# KiCad board q2v2.kicad_pcb (continued)
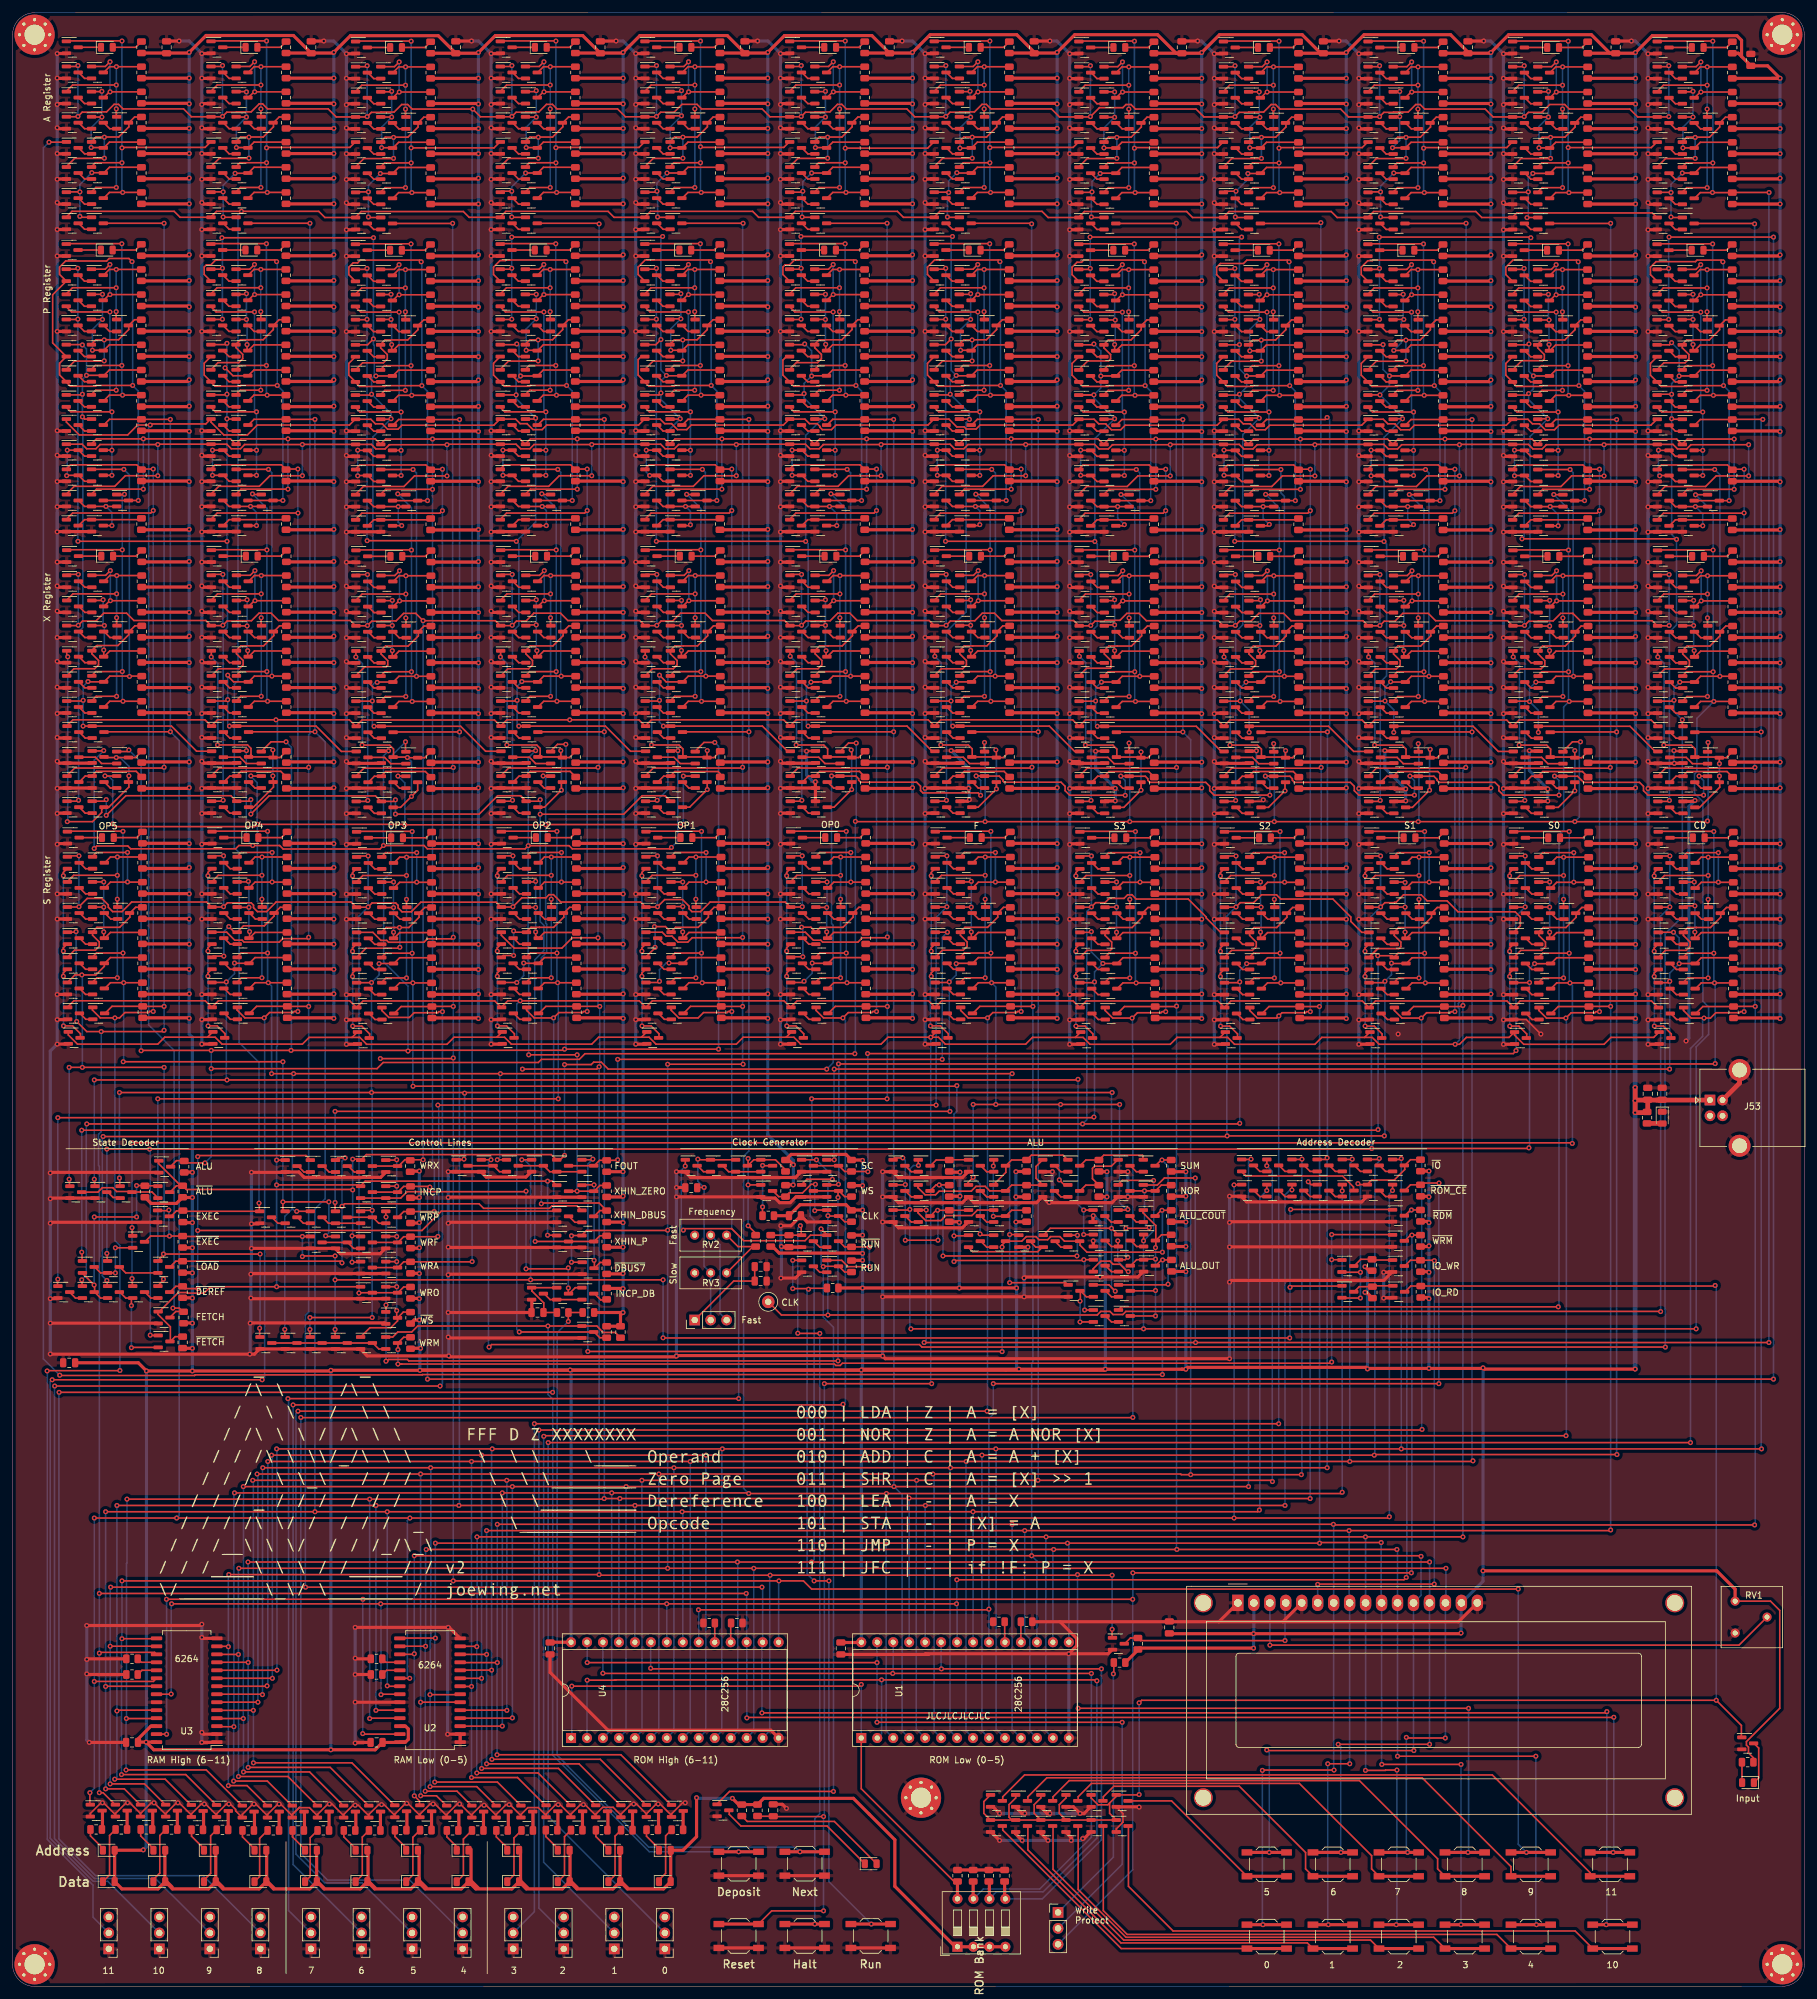
[diagram p0: board, top side]
## Nets (continued)
Net-(Q479-Pad2): Q479.2 Q481.3
Net-(Q479-Pad3): Q479.3 Q484.1 R203.2
Net-(Q483-Pad2): Q483.2 Q485.3
Net-(Q484-Pad2): Q484.2 Q486.3
Net-(Q485-Pad1): Q485.1 Q487.3 Q490.1 R207.2
Net-(Q487-Pad2): Q487.2 Q488.3
Net-(Q488-Pad2): Q488.2 Q489.3
Net-(Q490-Pad2): Q490.2 Q491.3
Net-(Q492-Pad2): Q492.2 Q493.3
Net-(Q494-Pad2): Q494.2 Q495.2 Q498.3 Q499.3
Net-(Q496-Pad2): Q496.2 Q497.2 Q500.3 Q501.3
Net-(Q501-Pad1): Q501.1 Q502.3 R210.2
Net-(Q503-Pad1): Q503.1 Q506.1 Q509.3 Q512.1 R215.2
Net-(Q503-Pad2): Q503.2 Q505.3
Net-(Q504-Pad1): Q504.1 Q513.1 Q515.3 R217.2
Net-(Q504-Pad2): Q504.2 Q506.3
Net-(Q504-Pad3): Q504.3 Q509.1 R212.2
Net-(Q508-Pad2): Q508.2 Q510.3
Net-(Q509-Pad2): Q509.2 Q511.3
Net-(Q510-Pad1): Q510.1 Q512.3 Q515.1 R216.2
Net-(Q512-Pad2): Q512.2 Q513.3
Net-(Q513-Pad2): Q513.2 Q514.3
Net-(Q515-Pad2): Q515.2 Q516.3
Net-(Q519-Pad1): Q519.1 Q522.1 Q525.3 Q528.1 R222.2
Net-(Q519-Pad2): Q519.2 Q521.3
Net-(Q520-Pad1): Q520.1 Q529.1 Q531.3 R224.2
Net-(Q520-Pad2): Q520.2 Q522.3
Net-(Q520-Pad3): Q520.3 Q525.1 R219.2
Net-(Q524-Pad2): Q524.2 Q526.3
Net-(Q525-Pad2): Q525.2 Q527.3
Net-(Q526-Pad1): Q526.1 Q528.3 Q531.1 R223.2
Net-(Q528-Pad2): Q528.2 Q529.3
Net-(Q529-Pad2): Q529.2 Q530.3
Net-(Q531-Pad2): Q531.2 Q532.3
Net-(Q533-Pad2): Q533.2 Q534.3
Net-(Q535-Pad2): Q535.2 Q536.3
Net-(Q537-Pad1): Q537.1 Q540.1 Q543.3 Q546.1 R231.2
Net-(Q537-Pad2): Q537.2 Q539.3
Net-(Q538-Pad1): Q538.1 Q547.1 Q549.3 R233.2
Net-(Q538-Pad2): Q538.2 Q540.3
Net-(Q538-Pad3): Q538.3 Q543.1 R228.2
Net-(Q542-Pad2): Q542.2 Q544.3
Net-(Q543-Pad2): Q543.2 Q545.3
Net-(Q544-Pad1): Q544.1 Q546.3 Q549.1 R232.2
Net-(Q546-Pad2): Q546.2 Q547.3
Net-(Q547-Pad2): Q547.2 Q548.3
Net-(Q549-Pad2): Q549.2 Q550.3
Net-(Q551-Pad2): Q551.2 Q556.3
Net-(Q552-Pad2): Q552.2 Q557.3
Net-(Q553-Pad2): Q553.2 Q558.3
Net-(Q554-Pad2): Q554.2 Q559.3
Net-(Q556-Pad1): Q556.1 Q560.3 R235.2
Net-(Q561-Pad1): Q561.1 Q564.1 Q567.3 Q570.1 R240.2
Net-(Q561-Pad2): Q561.2 Q563.3
Net-(Q562-Pad1): Q562.1 Q571.1 Q573.3 R242.2
Net-(Q562-Pad2): Q562.2 Q564.3
Net-(Q562-Pad3): Q562.3 Q567.1 R237.2
Net-(Q566-Pad2): Q566.2 Q568.3
Net-(Q567-Pad2): Q567.2 Q569.3
Net-(Q568-Pad1): Q568.1 Q570.3 Q573.1 R241.2
Net-(Q570-Pad2): Q570.2 Q571.3
Net-(Q571-Pad2): Q571.2 Q572.3
Net-(Q573-Pad2): Q573.2 Q574.3
Net-(Q575-Pad2): Q575.2 Q576.3
Net-(Q577-Pad2): Q577.2 Q578.2 Q581.3 Q582.3
Net-(Q579-Pad2): Q579.2 Q580.2 Q583.3 Q584.3
Net-(Q584-Pad1): Q584.1 Q585.3 R244.2
Net-(Q586-Pad1): Q586.1 Q589.1 Q592.3 Q595.1 R249.2
Net-(Q586-Pad2): Q586.2 Q588.3
Net-(Q587-Pad1): Q587.1 Q596.1 Q598.3 R251.2
Net-(Q587-Pad2): Q587.2 Q589.3
Net-(Q587-Pad3): Q587.3 Q592.1 R246.2
Net-(Q591-Pad2): Q591.2 Q593.3
Net-(Q592-Pad2): Q592.2 Q594.3
Net-(Q593-Pad1): Q593.1 Q595.3 Q598.1 R250.2
Net-(Q595-Pad2): Q595.2 Q596.3
Net-(Q596-Pad2): Q596.2 Q597.3
Net-(Q598-Pad2): Q598.2 Q599.3
Net-(Q601-Pad2): Q601.2 Q683.3
Net-(Q602-Pad1): Q602.1 Q605.1 Q608.3 Q611.1 R256.2
Net-(Q602-Pad2): Q602.2 Q604.3
Net-(Q603-Pad1): Q603.1 Q612.1 Q614.3 R258.2
Net-(Q603-Pad2): Q603.2 Q605.3
Net-(Q603-Pad3): Q603.3 Q608.1 R253.2
Net-(Q607-Pad2): Q607.2 Q609.3
Net-(Q608-Pad2): Q608.2 Q610.3
Net-(Q609-Pad1): Q609.1 Q611.3 Q614.1 R257.2
Net-(Q611-Pad2): Q611.2 Q612.3
Net-(Q612-Pad2): Q612.2 Q613.3
Net-(Q614-Pad2): Q614.2 Q615.3
Net-(Q616-Pad2): Q616.2 Q617.3
Net-(Q618-Pad2): Q618.2 Q619.3
Net-(Q620-Pad1): Q620.1 Q623.1 Q626.3 Q629.1 R265.2
Net-(Q620-Pad2): Q620.2 Q622.3
Net-(Q621-Pad1): Q621.1 Q630.1 Q632.3 R267.2
Net-(Q621-Pad2): Q621.2 Q623.3
Net-(Q621-Pad3): Q621.3 Q626.1 R262.2
Net-(Q625-Pad2): Q625.2 Q627.3
Net-(Q626-Pad2): Q626.2 Q628.3
Net-(Q627-Pad1): Q627.1 Q629.3 Q632.1 R266.2
Net-(Q629-Pad2): Q629.2 Q630.3
Net-(Q630-Pad2): Q630.2 Q631.3
Net-(Q632-Pad2): Q632.2 Q633.3
Net-(Q634-Pad2): Q634.2 Q639.3
Net-(Q635-Pad2): Q635.2 Q640.3
Net-(Q636-Pad2): Q636.2 Q641.3
Net-(Q637-Pad2): Q637.2 Q642.3
Net-(Q639-Pad1): Q639.1 Q643.3 R269.2
Net-(Q644-Pad1): Q644.1 Q647.1 Q650.3 Q653.1 R274.2
Net-(Q644-Pad2): Q644.2 Q646.3
Net-(Q645-Pad1): Q645.1 Q654.1 Q656.3 R276.2
Net-(Q645-Pad2): Q645.2 Q647.3
Net-(Q645-Pad3): Q645.3 Q650.1 R271.2
Net-(Q649-Pad2): Q649.2 Q651.3
Net-(Q650-Pad2): Q650.2 Q652.3
Net-(Q651-Pad1): Q651.1 Q653.3 Q656.1 R275.2
Net-(Q653-Pad2): Q653.2 Q654.3
Net-(Q654-Pad2): Q654.2 Q655.3
Net-(Q656-Pad2): Q656.2 Q657.3
Net-(Q658-Pad2): Q658.2 Q659.3
Net-(Q660-Pad2): Q660.2 Q661.2 Q664.3 Q665.3
Net-(Q662-Pad2): Q662.2 Q663.2 Q666.3 Q667.3
Net-(Q667-Pad1): Q667.1 Q668.3 R278.2
Net-(Q669-Pad1): Q669.1 Q672.1 Q675.3 Q678.1 R283.2
Net-(Q669-Pad2): Q669.2 Q671.3
Net-(Q670-Pad1): Q670.1 Q679.1 Q681.3 R285.2
Net-(Q670-Pad2): Q670.2 Q672.3
Net-(Q670-Pad3): Q670.3 Q675.1 R280.2
Net-(Q674-Pad2): Q674.2 Q676.3
Net-(Q675-Pad2): Q675.2 Q677.3
Net-(Q676-Pad1): Q676.1 Q678.3 Q681.1 R284.2
Net-(Q678-Pad2): Q678.2 Q679.3
Net-(Q679-Pad2): Q679.2 Q680.3
Net-(Q681-Pad2): Q681.2 Q682.3
Net-(Q683-Pad2): Q683.2 Q684.3
Net-(Q684-Pad2): Q684.2 Q766.3
Net-(Q685-Pad1): Q685.1 Q688.1 Q691.3 Q694.1 R290.2
Net-(Q685-Pad2): Q685.2 Q687.3
Net-(Q686-Pad1): Q686.1 Q695.1 Q697.3 R292.2
Net-(Q686-Pad2): Q686.2 Q688.3
Net-(Q686-Pad3): Q686.3 Q691.1 R287.2
Net-(Q690-Pad2): Q690.2 Q692.3
Net-(Q691-Pad2): Q691.2 Q693.3
Net-(Q692-Pad1): Q692.1 Q694.3 Q697.1 R291.2
Net-(Q694-Pad2): Q694.2 Q695.3
Net-(Q695-Pad2): Q695.2 Q696.3
Net-(Q697-Pad2): Q697.2 Q698.3
Net-(Q699-Pad2): Q699.2 Q700.3
Net-(Q701-Pad2): Q701.2 Q702.3
Net-(Q703-Pad1): Q703.1 Q706.1 Q709.3 Q712.1 R299.2
Net-(Q703-Pad2): Q703.2 Q705.3
Net-(Q704-Pad1): Q704.1 Q713.1 Q715.3 R301.2
Net-(Q704-Pad2): Q704.2 Q706.3
Net-(Q704-Pad3): Q704.3 Q709.1 R296.2
Net-(Q708-Pad2): Q708.2 Q710.3
Net-(Q709-Pad2): Q709.2 Q711.3
Net-(Q710-Pad1): Q710.1 Q712.3 Q715.1 R300.2
Net-(Q712-Pad2): Q712.2 Q713.3
Net-(Q713-Pad2): Q713.2 Q714.3
Net-(Q715-Pad2): Q715.2 Q716.3
Net-(Q717-Pad2): Q717.2 Q722.3
Net-(Q718-Pad2): Q718.2 Q723.3
Net-(Q719-Pad2): Q719.2 Q724.3
Net-(Q720-Pad2): Q720.2 Q725.3
Net-(Q722-Pad1): Q722.1 Q726.3 R303.2
Net-(Q727-Pad1): Q727.1 Q730.1 Q733.3 Q736.1 R308.2
Net-(Q727-Pad2): Q727.2 Q729.3
Net-(Q728-Pad1): Q728.1 Q737.1 Q739.3 R310.2
Net-(Q728-Pad2): Q728.2 Q730.3
Net-(Q728-Pad3): Q728.3 Q733.1 R305.2
Net-(Q732-Pad2): Q732.2 Q734.3
Net-(Q733-Pad2): Q733.2 Q735.3
Net-(Q734-Pad1): Q734.1 Q736.3 Q739.1 R309.2
Net-(Q736-Pad2): Q736.2 Q737.3
Net-(Q737-Pad2): Q737.2 Q738.3
Net-(Q739-Pad2): Q739.2 Q740.3
Net-(Q741-Pad2): Q741.2 Q742.3
Net-(Q743-Pad2): Q743.2 Q744.2 Q747.3 Q748.3
Net-(Q745-Pad2): Q745.2 Q746.2 Q749.3 Q750.3
Net-(Q750-Pad1): Q750.1 Q751.3 R312.2
Net-(Q752-Pad1): Q752.1 Q755.1 Q758.3 Q761.1 R317.2
Net-(Q752-Pad2): Q752.2 Q754.3
Net-(Q753-Pad1): Q753.1 Q762.1 Q764.3 R319.2
Net-(Q753-Pad2): Q753.2 Q755.3
Net-(Q753-Pad3): Q753.3 Q758.1 R314.2
Net-(Q757-Pad2): Q757.2 Q759.3
Net-(Q758-Pad2): Q758.2 Q760.3
Net-(Q759-Pad1): Q759.1 Q761.3 Q764.1 R318.2
Net-(Q761-Pad2): Q761.2 Q762.3
Net-(Q762-Pad2): Q762.2 Q763.3
Net-(Q764-Pad2): Q764.2 Q765.3
Net-(Q766-Pad2): Q766.2 Q767.3
Net-(Q767-Pad2): Q767.2 Q849.3
Net-(Q768-Pad1): Q768.1 Q771.1 Q774.3 Q777.1 R324.2
Net-(Q768-Pad2): Q768.2 Q770.3
Net-(Q769-Pad1): Q769.1 Q778.1 Q780.3 R326.2
Net-(Q769-Pad2): Q769.2 Q771.3
Net-(Q769-Pad3): Q769.3 Q774.1 R321.2
Net-(Q773-Pad2): Q773.2 Q775.3
Net-(Q774-Pad2): Q774.2 Q776.3
Net-(Q775-Pad1): Q775.1 Q777.3 Q780.1 R325.2
Net-(Q777-Pad2): Q777.2 Q778.3
Net-(Q778-Pad2): Q778.2 Q779.3
Net-(Q780-Pad2): Q780.2 Q781.3
Net-(Q782-Pad2): Q782.2 Q783.3
Net-(Q784-Pad2): Q784.2 Q785.3
Net-(Q786-Pad1): Q786.1 Q789.1 Q792.3 Q795.1 R333.2
Net-(Q786-Pad2): Q786.2 Q788.3
Net-(Q787-Pad1): Q787.1 Q796.1 Q798.3 R335.2
Net-(Q787-Pad2): Q787.2 Q789.3
Net-(Q787-Pad3): Q787.3 Q792.1 R330.2
Net-(Q791-Pad2): Q791.2 Q793.3
Net-(Q792-Pad2): Q792.2 Q794.3
Net-(Q793-Pad1): Q793.1 Q795.3 Q798.1 R334.2
Net-(Q795-Pad2): Q795.2 Q796.3
Net-(Q796-Pad2): Q796.2 Q797.3
Net-(Q798-Pad2): Q798.2 Q799.3
Net-(Q800-Pad2): Q800.2 Q805.3
Net-(Q801-Pad2): Q801.2 Q806.3
Net-(Q802-Pad2): Q802.2 Q807.3
Net-(Q803-Pad2): Q803.2 Q808.3
Net-(Q805-Pad1): Q805.1 Q809.3 R337.2
Net-(Q810-Pad1): Q810.1 Q813.1 Q816.3 Q819.1 R342.2
Net-(Q810-Pad2): Q810.2 Q812.3
Net-(Q811-Pad1): Q811.1 Q820.1 Q822.3 R344.2
Net-(Q811-Pad2): Q811.2 Q813.3
Net-(Q811-Pad3): Q811.3 Q816.1 R339.2
Net-(Q815-Pad2): Q815.2 Q817.3
Net-(Q816-Pad2): Q816.2 Q818.3
Net-(Q817-Pad1): Q817.1 Q819.3 Q822.1 R343.2
Net-(Q819-Pad2): Q819.2 Q820.3
Net-(Q820-Pad2): Q820.2 Q821.3
Net-(Q822-Pad2): Q822.2 Q823.3
Net-(Q824-Pad2): Q824.2 Q825.3
Net-(Q826-Pad2): Q826.2 Q827.2 Q830.3 Q831.3
Net-(Q828-Pad2): Q828.2 Q829.2 Q832.3 Q833.3
Net-(Q833-Pad1): Q833.1 Q834.3 R346.2
Net-(Q835-Pad1): Q835.1 Q838.1 Q841.3 Q844.1 R351.2
Net-(Q835-Pad2): Q835.2 Q837.3
Net-(Q836-Pad1): Q836.1 Q845.1 Q847.3 R353.2
Net-(Q836-Pad2): Q836.2 Q838.3
Net-(Q836-Pad3): Q836.3 Q841.1 R348.2
Net-(Q840-Pad2): Q840.2 Q842.3
Net-(Q841-Pad2): Q841.2 Q843.3
Net-(Q842-Pad1): Q842.1 Q844.3 Q847.1 R352.2
Net-(Q844-Pad2): Q844.2 Q845.3
Net-(Q845-Pad2): Q845.2 Q846.3
Net-(Q847-Pad2): Q847.2 Q848.3
Net-(Q849-Pad2): Q849.2 Q850.3
Net-(Q850-Pad2): Q850.2 Q932.3
Net-(Q851-Pad1): Q851.1 Q854.1 Q857.3 Q860.1 R358.2
Net-(Q851-Pad2): Q851.2 Q853.3
Net-(Q852-Pad1): Q852.1 Q861.1 Q863.3 R360.2
Net-(Q852-Pad2): Q852.2 Q854.3
Net-(Q852-Pad3): Q852.3 Q857.1 R355.2
Net-(Q856-Pad2): Q856.2 Q858.3
Net-(Q857-Pad2): Q857.2 Q859.3
Net-(Q858-Pad1): Q858.1 Q860.3 Q863.1 R359.2
Net-(Q860-Pad2): Q860.2 Q861.3
Net-(Q861-Pad2): Q861.2 Q862.3
Net-(Q863-Pad2): Q863.2 Q864.3
Net-(Q865-Pad2): Q865.2 Q866.3
Net-(Q867-Pad2): Q867.2 Q868.3
Net-(Q869-Pad1): Q869.1 Q872.1 Q875.3 Q878.1 R367.2
Net-(Q869-Pad2): Q869.2 Q871.3
Net-(Q870-Pad1): Q870.1 Q879.1 Q881.3 R369.2
Net-(Q870-Pad2): Q870.2 Q872.3
Net-(Q870-Pad3): Q870.3 Q875.1 R364.2
Net-(Q874-Pad2): Q874.2 Q876.3
Net-(Q875-Pad2): Q875.2 Q877.3
Net-(Q876-Pad1): Q876.1 Q878.3 Q881.1 R368.2
Net-(Q878-Pad2): Q878.2 Q879.3
Net-(Q879-Pad2): Q879.2 Q880.3
Net-(Q881-Pad2): Q881.2 Q882.3
Net-(Q883-Pad2): Q883.2 Q888.3
Net-(Q884-Pad2): Q884.2 Q889.3
Net-(Q885-Pad2): Q885.2 Q890.3
Net-(Q886-Pad2): Q886.2 Q891.3
Net-(Q888-Pad1): Q888.1 Q892.3 R371.2
Net-(Q893-Pad1): Q893.1 Q896.1 Q899.3 Q902.1 R376.2
Net-(Q893-Pad2): Q893.2 Q895.3
Net-(Q894-Pad1): Q894.1 Q903.1 Q905.3 R378.2
Net-(Q894-Pad2): Q894.2 Q896.3
Net-(Q894-Pad3): Q894.3 Q899.1 R373.2
Net-(Q898-Pad2): Q898.2 Q900.3
Net-(Q899-Pad2): Q899.2 Q901.3
Net-(Q900-Pad1): Q900.1 Q902.3 Q905.1 R377.2
Net-(Q902-Pad2): Q902.2 Q903.3
Net-(Q903-Pad2): Q903.2 Q904.3
Net-(Q905-Pad2): Q905.2 Q906.3
Net-(Q907-Pad2): Q907.2 Q908.3
Net-(Q909-Pad2): Q909.2 Q910.2 Q913.3 Q914.3
Net-(Q911-Pad2): Q911.2 Q912.2 Q915.3 Q916.3
Net-(Q916-Pad1): Q916.1 Q917.3 R380.2
Net-(Q918-Pad1): Q918.1 Q921.1 Q924.3 Q927.1 R385.2
Net-(Q918-Pad2): Q918.2 Q920.3
Net-(Q919-Pad1): Q919.1 Q928.1 Q930.3 R387.2
Net-(Q919-Pad2): Q919.2 Q921.3
Net-(Q919-Pad3): Q919.3 Q924.1 R382.2
Net-(Q923-Pad2): Q923.2 Q925.3
Net-(Q924-Pad2): Q924.2 Q926.3
Net-(Q925-Pad1): Q925.1 Q927.3 Q930.1 R386.2
Net-(Q927-Pad2): Q927.2 Q928.3
Net-(Q928-Pad2): Q928.2 Q929.3
Net-(Q930-Pad2): Q930.2 Q931.3
Net-(Q932-Pad2): Q932.2 Q933.3
Net-(Q934-Pad1): Q934.1 Q937.1 Q940.3 Q943.1 R392.2
Net-(Q934-Pad2): Q934.2 Q936.3
Net-(Q935-Pad1): Q935.1 Q944.1 Q946.3 R394.2
Net-(Q935-Pad2): Q935.2 Q937.3
Net-(Q935-Pad3): Q935.3 Q940.1 R389.2
Net-(Q939-Pad2): Q939.2 Q941.3
Net-(Q940-Pad2): Q940.2 Q942.3
Net-(Q941-Pad1): Q941.1 Q943.3 Q946.1 R393.2
Net-(Q943-Pad2): Q943.2 Q944.3
Net-(Q944-Pad2): Q944.2 Q945.3
Net-(Q946-Pad2): Q946.2 Q947.3
Net-(Q948-Pad2): Q948.2 Q949.3
Net-(Q950-Pad2): Q950.2 Q951.3
Net-(Q952-Pad1): Q952.1 Q955.1 Q958.3 Q961.1 R401.2
Net-(Q952-Pad2): Q952.2 Q954.3
Net-(Q953-Pad1): Q953.1 Q962.1 Q964.3 R403.2
Net-(Q953-Pad2): Q953.2 Q955.3
Net-(Q953-Pad3): Q953.3 Q958.1 R398.2
Net-(Q957-Pad2): Q957.2 Q959.3
Net-(Q958-Pad2): Q958.2 Q960.3
Net-(Q959-Pad1): Q959.1 Q961.3 Q964.1 R402.2
Net-(Q961-Pad2): Q961.2 Q962.3
Net-(Q962-Pad2): Q962.2 Q963.3
Net-(Q964-Pad2): Q964.2 Q965.3
Net-(Q966-Pad2): Q966.2 Q971.3
Net-(Q967-Pad2): Q967.2 Q972.3
Net-(Q968-Pad2): Q968.2 Q973.3
Net-(Q969-Pad2): Q969.2 Q974.3
Net-(Q971-Pad1): Q971.1 Q975.3 R405.2
Net-(Q976-Pad1): Q976.1 Q979.1 Q982.3 Q985.1 R410.2
Net-(Q976-Pad2): Q976.2 Q978.3
Net-(Q977-Pad1): Q977.1 Q986.1 Q988.3 R412.2
Net-(Q977-Pad2): Q977.2 Q979.3
Net-(Q977-Pad3): Q977.3 Q982.1 R407.2
Net-(Q981-Pad2): Q981.2 Q983.3
Net-(Q982-Pad2): Q982.2 Q984.3
Net-(Q983-Pad1): Q983.1 Q985.3 Q988.1 R411.2
Net-(Q985-Pad2): Q985.2 Q986.3
Net-(Q986-Pad2): Q986.2 Q987.3
Net-(Q988-Pad2): Q988.2 Q989.3
Net-(Q990-Pad2): Q990.2 Q991.3
Net-(Q992-Pad2): Q992.2 Q993.2 Q996.3 Q997.3
Net-(Q994-Pad2): Q994.2 Q995.2 Q998.3 Q999.3
Net-(Q1000-Pad3): Q999.1 Q1000.3 R414.2
Net-(Q1001-Pad1): Q1001.1 Q1004.1 Q1007.3 Q1010.1 R419.2
Net-(Q1001-Pad2): Q1001.2 Q1003.3
Net-(Q1002-Pad1): Q1002.1 Q1011.1 Q1013.3 R421.2
Net-(Q1002-Pad2): Q1002.2 Q1004.3
Net-(Q1002-Pad3): Q1002.3 Q1007.1 R416.2
Net-(Q1006-Pad2): Q1006.2 Q1008.3
Net-(Q1007-Pad2): Q1007.2 Q1009.3
Net-(Q1008-Pad1): Q1008.1 Q1010.3 Q1013.1 R420.2
Net-(Q1010-Pad2): Q1010.2 Q1011.3
Net-(Q1011-Pad2): Q1011.2 Q1012.3
Net-(Q1013-Pad2): Q1013.2 Q1014.3
Net-(Q1015-Pad2): Q1015.2 Q1016.3
Net-(Q1015-Pad3): Q933.2 Q1015.3
Net-(Q1016-Pad2): Q1016.2 Q1099.3
Net-(Q1017-Pad1): Q1017.1 Q1020.1 Q1023.3 Q1026.1 R426.2
Net-(Q1017-Pad2): Q1017.2 Q1019.3
Net-(Q1018-Pad1): Q1018.1 Q1027.1 Q1029.3 R428.2
Net-(Q1018-Pad2): Q1018.2 Q1020.3
Net-(Q1018-Pad3): Q1018.3 Q1023.1 R423.2
Net-(Q1022-Pad2): Q1022.2 Q1024.3
Net-(Q1023-Pad2): Q1023.2 Q1025.3
Net-(Q1024-Pad1): Q1024.1 Q1026.3 Q1029.1 R427.2
Net-(Q1026-Pad2): Q1026.2 Q1027.3
Net-(Q1027-Pad2): Q1027.2 Q1028.3
Net-(Q1029-Pad2): Q1029.2 Q1030.3
Net-(Q1031-Pad2): Q1031.2 Q1032.3
Net-(Q1033-Pad2): Q1033.2 Q1034.3
Net-(Q1035-Pad1): Q1035.1 Q1038.1 Q1041.3 Q1044.1 R435.2
Net-(Q1035-Pad2): Q1035.2 Q1037.3
Net-(Q1036-Pad1): Q1036.1 Q1045.1 Q1047.3 R437.2
Net-(Q1036-Pad2): Q1036.2 Q1038.3
Net-(Q1036-Pad3): Q1036.3 Q1041.1 R432.2
Net-(Q1040-Pad2): Q1040.2 Q1042.3
Net-(Q1041-Pad2): Q1041.2 Q1043.3
Net-(Q1042-Pad1): Q1042.1 Q1044.3 Q1047.1 R436.2
Net-(Q1044-Pad2): Q1044.2 Q1045.3
Net-(Q1045-Pad2): Q1045.2 Q1046.3
Net-(Q1047-Pad2): Q1047.2 Q1048.3
Net-(Q1049-Pad2): Q1049.2 Q1054.3
Net-(Q1050-Pad2): Q1050.2 Q1055.3
Net-(Q1051-Pad2): Q1051.2 Q1056.3
Net-(Q1052-Pad2): Q1052.2 Q1057.3
Net-(Q1054-Pad1): Q1054.1 Q1058.3 R439.2
Net-(Q1059-Pad1): Q1059.1 Q1062.1 Q1065.3 Q1068.1 R444.2
Net-(Q1059-Pad2): Q1059.2 Q1061.3
Net-(Q1060-Pad1): Q1060.1 Q1069.1 Q1071.3 R446.2
Net-(Q1060-Pad2): Q1060.2 Q1062.3
Net-(Q1060-Pad3): Q1060.3 Q1065.1 R441.2
Net-(Q1064-Pad2): Q1064.2 Q1066.3
Net-(Q1065-Pad2): Q1065.2 Q1067.3
Net-(Q1066-Pad1): Q1066.1 Q1068.3 Q1071.1 R445.2
Net-(Q1068-Pad2): Q1068.2 Q1069.3
Net-(Q1069-Pad2): Q1069.2 Q1070.3
Net-(Q1071-Pad2): Q1071.2 Q1072.3
Net-(Q1073-Pad2): Q1073.2 Q1074.3
Net-(Q1075-Pad2): Q1075.2 Q1076.2 Q1079.3 Q1080.3
Net-(Q1077-Pad2): Q1077.2 Q1078.2 Q1081.3 Q1082.3
Net-(Q1082-Pad1): Q1082.1 Q1083.3 R448.2
Net-(Q1084-Pad1): Q1084.1 Q1087.1 Q1090.3 Q1093.1 R453.2
Net-(Q1084-Pad2): Q1084.2 Q1086.3
Net-(Q1085-Pad1): Q1085.1 Q1094.1 Q1096.3 R455.2
Net-(Q1085-Pad2): Q1085.2 Q1087.3
Net-(Q1085-Pad3): Q1085.3 Q1090.1 R450.2
Net-(Q1089-Pad2): Q1089.2 Q1091.3
Net-(Q1090-Pad2): Q1090.2 Q1092.3
Net-(Q1091-Pad1): Q1091.1 Q1093.3 Q1096.1 R454.2
Net-(Q1093-Pad2): Q1093.2 Q1094.3
Net-(Q1094-Pad2): Q1094.2 Q1095.3
Net-(Q1096-Pad2): Q1096.2 Q1097.3
Net-(Q1098-Pad2): Q1098.2 Q1114.3
Net-(Q1100-Pad1): Q1100.1 Q1103.1 Q1106.3 Q1109.1 R460.2
Net-(Q1100-Pad2): Q1100.2 Q1102.3
Net-(Q1101-Pad1): Q1101.1 Q1110.1 Q1112.3 R462.2
Net-(Q1101-Pad2): Q1101.2 Q1103.3
Net-(Q1101-Pad3): Q1101.3 Q1106.1 R457.2
Net-(Q1105-Pad2): Q1105.2 Q1107.3
Net-(Q1106-Pad2): Q1106.2 Q1108.3
Net-(Q1107-Pad1): Q1107.1 Q1109.3 Q1112.1 R461.2
Net-(Q1109-Pad2): Q1109.2 Q1110.3
Net-(Q1110-Pad2): Q1110.2 Q1111.3
Net-(Q1112-Pad2): Q1112.2 Q1113.3
Net-(Q1117-Pad3): Q1117.3 SW1.2
Net-(Q1118-Pad3): Q1118.3 Q1126.1 R465.2
Net-(Q1119-Pad3): Q1119.3 R466.2
Net-(Q1120-Pad3): Q1120.3 R468.2
Net-(Q1121-Pad3): Q1121.3 R474.2
Net-(Q1122-Pad3): Q1122.3 R475.2
Net-(Q1124-Pad3): Q1124.3 R479.2
Net-(Q1125-Pad3): Q1125.3 R480.2
Net-(Q1128-Pad3): Q1128.3 R482.2
Net-(Q1129-Pad3): Q1129.3 R483.2
Net-(Q1130-Pad3): Q1130.3 R484.2
Net-(Q1131-Pad3): Q1131.3 R485.2
Net-(Q1132-Pad3): Q1132.3 R486.2
Net-(Q1133-Pad3): Q1133.3 R487.2
Net-(Q1134-Pad3): Q1134.3 R488.2
Net-(Q1135-Pad3): Q1135.3 R489.2
Net-(Q1136-Pad3): Q1136.3 R490.2
Net-(Q1137-Pad3): Q1137.3 R491.2
Net-(Q1138-Pad3): Q1138.3 R492.2
Net-(Q1139-Pad3): Q1139.3 R493.2
Net-(Q1140-Pad3): Q1140.3 R494.2
Net-(Q1141-Pad3): Q1141.3 R495.2
Net-(Q1142-Pad3): Q1142.3 R496.2
Net-(Q1143-Pad3): Q1143.3 R497.2
Net-(Q1144-Pad3): Q1144.3 R498.2
Net-(Q1145-Pad3): Q1145.3 R499.2
Net-(Q1146-Pad3): Q1146.3 SW10.2
Net-(Q1147-Pad3): Q1147.3 SW11.2
Net-(Q1148-Pad3): Q1148.3 SW14.2
Net-(Q1149-Pad3): Q1149.3 SW15.2
Net-(Q1150-Pad3): Q1150.3 SW25.2
Net-(Q1151-Pad3): Q1151.3 SW26.2
Net-(Q1152-Pad3): Q1152.3 SW27.2
Net-(Q1153-Pad3): Q1153.3 SW28.2
Net-(Q1154-Pad3): Q1154.3 SW29.2
Net-(Q1155-Pad3): Q1155.3 SW30.2
Net-(Q1156-Pad3): Q1156.3 SW31.2
Net-(R1-Pad1): R1.1 U2.19
Net-(R93-Pad1): R93.1 RV2.3 RV3.3
Net-(R464-Pad1): R464.1 U2.18
Net-(R467-Pad1): R467.1 U3.19
Net-(R469-Pad1): R469.1 U3.18
Net-(R501-Pad1): R501.1 U1.18
Net-(R502-Pad1): R502.1 U1.19
Net-(R503-Pad1): R503.1 U4.18
Net-(R504-Pad1): R504.1 U4.19
Net-(R505-Pad1): R505.1 SW32.1
Net-(RV2-Pad2): RV2.2 SW24.3

Pads without a net: J53 2 3; RV2 1; RV3 1; SW2 3; SW3 3; SW9 3; SW12 3; SW16 3; SW17 3; SW18 3; SW19 3; SW20 3; SW21 3; SW22 3; SW23 3

## Via types
v1: diameter 0.8, hole 0.4, Top to Bottom, 2992 vias
